# Altium PCB fMAX_MB.PcbDoc (part 7 of 13) (continued)
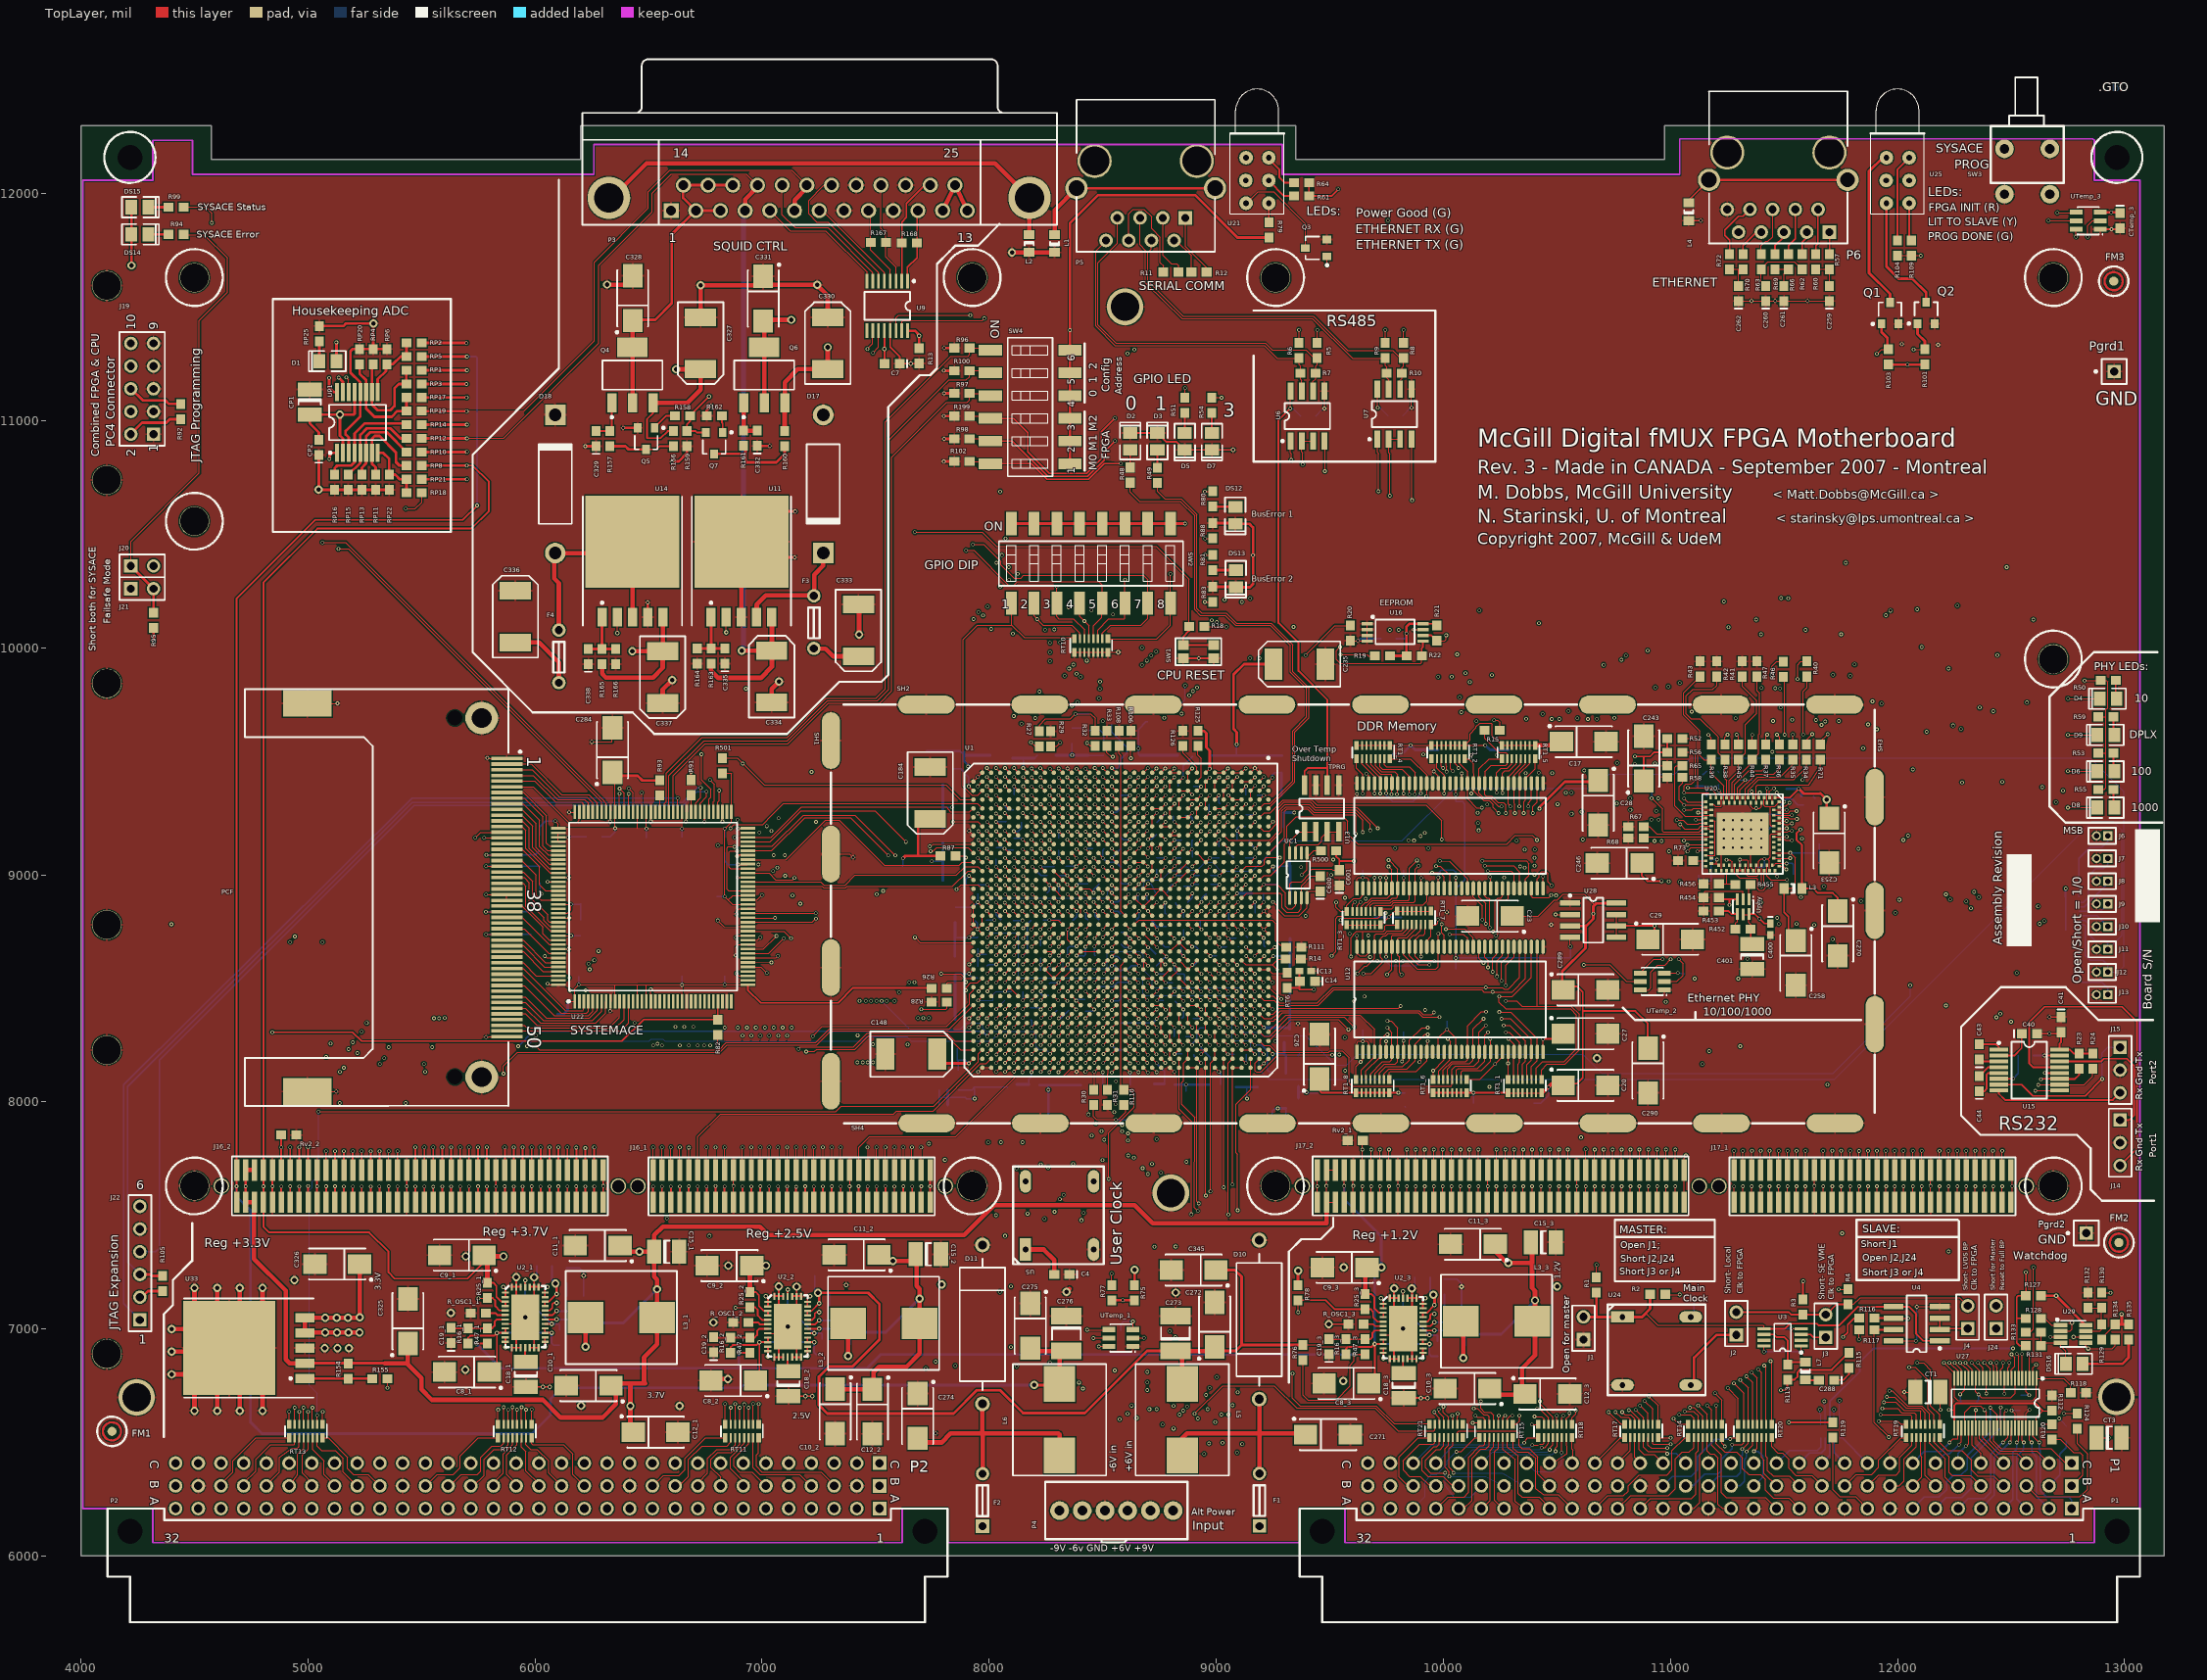
[diagram p0: TopLayer view]
## Nets (pads, with @x,y where several pads share a name; then routed paths per layer and width w, separated by ;. In a path a pad name is that pad's centre, name@x,y a point inside that pad or via, vN(x,y) a via of type N, cw(c..) or ccw(c..) an arc to the next point about the centre after c; other vN are vias at no path point) (continued)
M2_DEMODB_S0: J17_1.47 U1.AE7 | length 7092.6
  TopLayer w5: v1(8266,9232) 8284.61,9213.39 U1.AE7@8284.72,9213.39 ; J17_1.47@11594.49,7558.27 v1@11594.49,7627.51
  MidLayer1 w5: v1(8267.72,9980.32) 8265.75,9980.32 8249.02,9997.05 8249.02,10027.56 8261.81,10040.35 8319.88,10040.35 8343.35,10016.89 8647.43,10016.89 8660.07,10029.53 8686.02,10029.53 8694.72,10020.83 9512.54,10020.83 9548.8,10057.09 9636.81,10057.09 9670.9,10023 11348.42,10023 11372.05,10046.62 11372.05,10060.04 11386.81,10074.8 11406.5,10074.8 11422.24,10059.06 v1(11751.97,10059.06)
  MidLayer5 w5: v1(11594,7628) 11594,7653 11614,7673 11614,7790.95 11537,7867.95 11537,8713.44 11598.43,8774.87 11598.43,8889.21 11606.3,8897.08 11606.3,8924.3 11652,8970 11652,9434.61 11651.57,9435.04 11651.57,9631.73 11623.03,9660.28 11623.03,9811.02 11751.97,9939.96 v1(11751.97,10059.06)
  MidLayer6 w5: v1(8266,9232) 8266,9233.02 8247.05,9251.97 8247.05,9959.65 v1(8267.72,9980.32)
M2_DEMODB_S1: J17_1.48 U1.AD7 | length 6774.5
  TopLayer w5: v1(8306,9232) 8324.09,9213.91 U1.AD7@8324.09,9213.39 ; J17_1.48@11594.49,7700 v1@11594.49,7784.51
  MidLayer1 w6: v1(8267.72,9940.94) 8267.72,9956.69 8238.19,9986.22 8238.19,10033.46 8255.91,10051.18 8325.79,10051.18 8349.58,10027.39 8643.08,10027.39 8656.05,10040.35 8691.93,10040.35 8700.96,10031.33 9508.19,10031.33 9544.78,10067.91 9642.72,10067.91 9677.13,10033.5 11328.78,10033.5 11380.91,10085.63 11412.4,10085.63 11419.29,10078.74 v1(11595.47,10078.74)
  MidLayer5 w5: v1@11594.49,7784.51 11594.49,7787.4 11527,7854.89 11527,8717.58 11586.61,8777.2 11586.61,8891.54 11594.49,8899.41 11594.49,8984.25 11641.73,9031.5 11641.73,9430.74 11641.57,9430.9 11641.57,9571.02 11606.3,9606.3 11606.3,10067.91 v1(11595.47,10078.74)
  MidLayer6 w5: v1(8267.72,9940.94) 8258.05,9931.28 8258.05,9676.01 8258.05,9503.76 8286.42,9475.39 8286.42,9252.95 8306,9233.37 v1(8306,9232)
  other v1: 11595,7785
M2_POWER_DATA0: J17_2.67 U1.AF18 | length 2745.3
  TopLayer w5: v1(8225,8760) U1.AF18@8245.31,8780.31 ; J17_2.67@9760.79,7558.27 v1@9760.79,7627.79
  MidLayer1 w5: v1(8225,8760) 8225,8759.25 8244.09,8740.16 9555.12,8740.16 9614.17,8681.1 9759.84,8681.1 9791.34,8649.61 v1(9791.34,8622.05)
  MidLayer5 w5: v1@9760.79,7627.79 9760.79,7652.79 9780,7672 9780,8260.31 9791.34,8271.65 v1(9791.34,8622.05)
  other v1: 9761,7628
M2_POWER_DATA1: J17_2.68 U1.AE18 | length 2767.1
  TopLayer w5: v1(8265,8760) 8284.72,8779.72 U1.AE18@8284.72,8780.31 ; J17_2.68@9760.79,7700 v1@9760.79,7789.21
  MidLayer1 w5: v1(8265,8760) 8265,8765 8283.46,8783.46 9814.96,8783.46 9822.83,8775.59 v1(9822.83,8622.05)
  MidLayer5 w5: v1(9761,7790) 9759.84,8251.97 9775.59,8275.59 9775.59,8637.8 9783.46,8645.67 9814.96,8645.67 9822.83,8637.8 v1(9822.83,8622.05)
M2_POWER_DATA2: J17_2.69 U1.AG16 | length 3062.9
  TopLayer w5: v1(8185,8880) U1.AG16@8205.98,8859.06 ; J17_2.69@9721.42,7558.27 v1@9721.42,7627.42
  MidLayer5 w5: v1(9658.46,8894.68) 9658.46,8856.3 9667.32,8847.44 9752.95,8847.44 9775.59,8824.8 9775.59,8803.15 9738.35,8765.91 9738.35,8678.98 9763.78,8653.54 9763.78,8629.92 9742.38,8608.52 9732.28,8598.43 9732.28,8255.91 9741,8247.19 9741,7672 9721,7652 v1(9721,7628)
  MidLayer4 w5: v1@8185,8877.99 8204.72,8858.27 ; 8205.98,8859.06 8543.5,8859.06 8569.72,8832.83 8630.08,8832.83 8653.54,8856.3 8705.71,8856.3 8729.17,8832.83 8824.96,8832.83 8850.39,8858.27 9641.73,8858.27 9658.46,8875 v1(9658.46,8894.68)
M2_POWER_DATA3: J17_2.70 U1.AF16 | length 2900.6
  TopLayer w5: v1(8225,8880) 8225,8879.41 U1.AF16@8245.35,8859.06 ; J17_2.70@9721.42,7700 v1@9721.42,7789.58
  MidLayer2 w5: v1(8225,8880) 8230.24,8880 8248.03,8862.2 8248.03,8830.71 8259.84,8818.9 8900.59,8818.9 8916.34,8834.65 8916.34,8848.43 8926.18,8858.27 9099.41,8858.27 9114.17,8873.03 9114.17,8879.92 9176.18,8941.93 9216.54,8941.93 9235.08,8960.47 9667.48,8960.47 9713.98,8913.97 ; 9712.6,8915.35 9746.06,8881.89 v1(9746.06,8831.69)
  MidLayer5 w5: v1@9721.42,7789.58 9721.42,7800.16 9731,7809.74 9731,8243.05 9720.47,8253.57 9720.47,8602.36 9728.35,8610.24 9728.35,8814.96 v1(9746.06,8831.69)
  other v1: 9721,7790
M2_POWER_DATA4: J17_2.71 U1.AH19 | length 2711.7
  TopLayer w5: v1(8149.61,8720.47) 8165.94,8740.94 U1.AH19@8166.61,8740.94 ; J17_2.71@9682.05,7558.27 v1(9682,7628)
  MidLayer3 w5: v1(8149.61,8720.47) 8169.29,8700.79 8759.84,8700.79 8838.58,8622.05 v1(9708.66,8622.05)
  MidLayer5 w5: v1(9682,7628) 9682,7653 9702,7673 9702,7796.49 9721,7815.49 9721,8238.9 9708.66,8251.24 v1(9708.66,8622.05)
M2_POWER_DATA5: J17_2.72 U1.AH18 | length 2706.8
  TopLayer w5: v1(8150,8765) 8165.31,8780.31 U1.AH18@8166.61,8780.31 ; J17_2.72@9682.05,7700 v1@9682.05,7788.95
  MidLayer3 w5: v1(8150,8765) 8150.83,8765 8165.35,8779.53 8826.77,8779.53 8901.57,8704.72 8905.51,8700.79 9134.84,8700.79 9164.21,8671.42 9225.39,8671.42 9250.83,8696.85 9265.75,8696.85 9291.18,8671.42 9620.24,8671.42 9669.29,8720.47 v1(9669.29,8732.28)
  MidLayer5 w5: v1(9669.29,8732.28) 9692.91,8708.66 9692.91,8615.95 9696.85,8612.01 9696.85,8248.91 9711,8234.76 9711,7821.24 9682,7792.24 v1(9682,7790)
M2_POWER_DATA6: J17_2.73 U1.AK18 | length 2797
  TopLayer w5: v1(8070,8765) 8085.31,8780.31 U1.AK18@8087.87,8780.31 ; J17_2.73@9642.68,7558.27 v1@9642.68,7627.32
  MidLayer3 w5: v1(8070,8765) 8070,8764.65 8094.49,8740.16 8763.78,8740.16 8842.52,8661.42 9653.54,8661.42 v1(9677.17,8637.8)
  MidLayer5 w5: v1(9643,7628) 9643,7653 9663,7673 9663,7792.92 9701,7830.92 9701,8230.62 9685.04,8246.58 9685.04,8609.68 9677.17,8617.55 v1(9677.17,8637.8)
M2_POWER_DATA7: J17_2.74 Rv2_1.2 U1.AK17 | length 2846.2
  TopLayer w5: v1(8070,8840) 8087.87,8822.13 U1.AK17@8087.87,8819.68 ; J17_2.74@9642.68,7700 Rv2_1.2@9642.68,7822.68
  MidLayer3 w5: v1(8070,8840) 8070,8839.45 8090.55,8818.9 8271.65,8818.9 8301.02,8789.53 8832.52,8789.53 8881.89,8740.16 9057.09,8740.16 9086.46,8710.79 9139.76,8710.79 9169.13,8681.42 9221.25,8681.42 9247.51,8707.68 9270.83,8707.68 9297.09,8681.42 9527.87,8681.42 v1(9586.61,8740.16)
  MidLayer5 w5: v1(9586.61,8740.16) 9614.17,8712.6 9674.83,8712.6 9682.91,8704.52 9682.91,8671.1 9661.42,8649.61 9661.42,8619.16 9673.23,8607.35 9673.23,8244.25 9691,8226.48 9691,7840.61 9642.68,7792.28 v1@9642.68,7789.68
  other v1: 9643,7790
NetC18_1_2: C18_1.2 U2_1.16 | length 58.9
  TopLayer w8: C18_1.2@5956.61,6858.39 U2_1.16@5956.61,6917.28
NetC18_2_2: C18_2.2 U2_2.16 | length 58.9
  TopLayer w8: C18_2.2@7112.79,6817.31 U2_2.16@7112.79,6876.21
NetC18_3_2: C18_3.2 U2_3.16 | length 58.9
  TopLayer w8: C18_3.2@9822.44,6809.31 U2_3.16@9822.44,6868.21
NetC19_1_2: C19_1.2 R16_1.1 R47_1.2 U2_1.7 | length 265.7
  TopLayer w8: C19_1.2@5631,7004.46 5632,7003.46 5811.46,7003.46 5822,7014 5822,7031.78 5832.11,7041.89 U2_1.7@5870,7041.89
NetC19_2_2: C19_2.2 R16_2.1 R47_2.2 U2_2.7 | length 265.7
  TopLayer w8: C19_2.2@6787.17,6963.39 6788.17,6962.39 6967.64,6962.39 6978.17,6972.93 6978.17,6990.71 6988.28,7000.82 U2_2.7@7026.17,7000.82
NetC19_3_2: C19_3.2 R16_3.1 R47_3.2 U2_3.7 | length 265.7
  TopLayer w8: C19_3.2@9496.83,6955.39 9497.83,6954.39 9677.29,6954.39 9687.83,6964.93 9687.83,6982.71 9697.94,6992.82 U2_3.7@9735.83,6992.82
NetC21_1_2: C21_1.2 R_ITH1_1.1 | length 56.1
  BottomLayer w8: R_ITH1_1.1@6139,7145.46 C21_1.2@6139,7201.54
NetC21_2_2: C21_2.2 R_ITH1_2.1 | length 56.1
  BottomLayer w8: R_ITH1_2.1@7295.17,7104.39 C21_2.2@7295.17,7160.46
NetC21_3_2: C21_3.2 R_ITH1_3.1 | length 56.1
  BottomLayer w8: R_ITH1_3.1@10004.83,7096.39 C21_3.2@10004.83,7152.46
NetC22_1_2: C22_1.2 R_ITH1_1.2 U2_1.26 | length 178.2
  TopLayer w8: U2_1.26@6043.23,7061.57 6077.57,7061.57 v3(6095,7079)
  BottomLayer w8: v3(6095,7079) 6138.54,7079 R_ITH1_1.2@6139,7078.54 C22_1.2@6214,7078.54
NetC22_2_2: C22_2.2 R_ITH1_2.2 U2_2.26 | length 178.2
  TopLayer w8: U2_2.26@7199.4,7020.5 7233.75,7020.5 v3(7251.17,7037.93)
  BottomLayer w8: v3(7251.17,7037.93) 7294.71,7037.93 R_ITH1_2.2@7295.17,7037.46 C22_2.2@7370.17,7037.46
NetC22_3_2: C22_3.2 R_ITH1_3.2 U2_3.26 | length 178.2
  TopLayer w8: U2_3.26@9909.06,7012.5 9943.4,7012.5 v3(9960.83,7029.93)
  BottomLayer w8: v3(9960.83,7029.93) 10004.36,7029.93 R_ITH1_3.2@10004.83,7029.46 C22_3.2@10079.83,7029.46
NetC40_1: C40.1 U15.2 | length 177.3
  TopLayer w8: U15.2@12446.14,8203.98 12513.98,8203.98 12546.54,8236.54 C40.1@12546.54,8300
NetC43_1: C43.1 U15.3 | length 89.5
  TopLayer w8: C43.1@12360,8186.54 12368.15,8178.39 U15.3@12446.14,8178.39
NetC43_2: C43.2 U15.1 | length 103.2
  TopLayer w8: C43.2@12360,8253.46 12434.54,8253.46 12446.14,8241.86 U15.1@12446.14,8229.57
NetC44_1: C44.1 U15.5 | length 156.5
  TopLayer w8: C44.1@12360,8046.54 12381.54,8046.54 12392,8057 12392,8120 12399.2,8127.2 U15.5@12446.14,8127.2
NetC44_2: C44.2 U15.4 | length 102.4
  TopLayer w8: C44.2@12360,8113.46 12399.33,8152.79 U15.4@12446.14,8152.79
NetC45_1: C45.1 U15.6 | length 174.8
  TopLayer w8: U15.6@12446.14,8101.61 v1(12509.61,8101.61)
  BottomLayer w8: v1@12509,8102 12531.54,8124.54 C45.1@12531.54,8204
NetC259_2: C259.2 R57.1 R60.1 | length 133.1
  TopLayer w5: R60.1@11640,11666.54 R57.1@11700,11666.54 C259.2@11700,11593.46
NetC260_2: C260.2 R62.1 R63.1 | length 285.6
  TopLayer w5: C260.2@11415,11600 11415,11598.46 11400,11613.46 11400,11670 11430,11700 11546.54,11700 R62.1@11580,11666.54
NetC261_2: C261.2 R66.1 R69.1 | length 141.4
  TopLayer w5: R69.1@11460,11666.54 R66.1@11520,11666.54 11500,11646.54 C261.2@11500,11593.46
NetC262_2: C262.2 R70.1 R72.1 | length 133.1
  TopLayer w5: R72.1@11260,11666.54 R70.1@11320,11666.54 ; C262.2@11300,11593.46 11300,11666.54
NetC271_1: C271.1 D10.2 F1.2 L5.1 | length 951.1
  TopLayer w20: L5.1@8850,6442.52 8850,6518 8872,6540 C271.1@9390,6540 ; F1.2@9190,6363.5 D10.2@9190,6690
NetC274_2: C274.2 D11.1 F2.2 L6.1 | length 1043.5
  TopLayer w20: C274.2@7685,6500 7790,6500 7830,6540 7970,6540 7971,6541 7970,6542 D11.1@7970,6670 ; F2.2@7971,6362.5 7971,6540 8305,6540 8310,6535 L6.1@8310,6442.52
NetC288_1: C288.1 R115.2 | length 103.8
  TopLayer w8: C288.1@11720.46,6774 11721.6,6775.14 11761.14,6775.14 11786,6800 R115.2@11786,6827.54
NetC288_2: C288.2 L7.1 | length 58.5
  TopLayer w8: L7.1@11595,6774 C288.2@11653.54,6774
NetC328_1: C328.1 P3.2 P3.3 P3.14 P3.15 P3.16 Q4.2 Q4.4 | length 1481.6
  TopLayer w12: C328.1@6429.13,11443.99 6529.12,11443.99 6602,11516.87 6602,11820 P3.2@6706.92,11924.92 ; P3.3@6816.66,11924.92 P3.2@6707.96,11924.92 6652,11980.88 6652,12035.12 P3.14@6653.61,12036.73 P3.15@6762.31,12036.73 P3.16@6871.01,12036.73
  TopLayer w20: Q4.2@6429.13,11078.72 6429.13,11320.94 C328.1@6429.13,11443.99
NetC329_2: C329.2 Q4.1 R157.2 | length 188.4
  TopLayer w8: C329.2@6269.13,10954.23 R157.2@6329.13,10954.23 6338.58,10963.68 Q4.1@6338.58,11078.72
NetC331_2: C331.2 P3.12 P3.13 P3.25 Q6.2 Q6.4 | length 1600.4
  TopLayer w20: Q6.2@7009.13,11078.72 7009.13,11443.99 v2(7128.12,11443.99) ; P3.12@7794.97,11924.92 P3.25@7849.32,12036.73 P3.13@7903.67,11924.92
  MidLayer1 w20: v2(7128.12,11443.99) 7314,11443 ; 7313,11443 P3.12@7794.97,11924.92
NetC332_2: C332.2 Q6.1 R161.2 | length 183.5
  TopLayer w20: Q6.1@6918.58,11078.72 6918.58,10955.91 6919.09,10955.4 C332.2@6979.06,10955.4
NetC335_2: C335.2 R163.1 R164.2 U11.1 | length 260.3
  TopLayer w12: R164.2@6714.06,9996.4 C335.2@6836.53,9996.4 ; R163.1@6775.27,9996.61 U11.1@6775.27,10134.42
NetC338_2: C338.2 R165.1 R166.2 U14.1 | length 260.1
  TopLayer w12: C338.2@6235.13,9994.23 R166.2@6355.13,9994.23 ; R165.1@6295.27,9994.37 U14.1@6295.27,10134.42
NetD1_2: D1.2 RP25.1 | length 87.2
  TopLayer w12: D1.2@5050,11262.36 RP25.1@5050,11349.54
NetD2_1: D2.1 R48.2 | length 77.2
  TopLayer w8: R48.2@8620.79,10793.68 D2.1@8620.79,10870.91
NetD3_1: D3.1 R49.2 | length 78.2
  TopLayer w8: R49.2@8740.79,10792.68 D3.1@8740.79,10870.91
NetD4_1: D4.1 R50.1 | length 76.1
  TopLayer w8: D4.1@12960.79,9779.72 R50.1@12960.79,9855.78
NetD4_2: D4.2 U20.76 | length 1726.8
  TopLayer w4: U20.76@11455,9073.07 v1(11526.93,9073.07)
  TopLayer w5: v1@12750.22,9775.78 D4.2@12889.92,9775.78
  Power3 w6: v1(11526.93,9073.07) 12048.29,9073.07 v1(12751,9775.78)
NetD5_1: D5.1 R51.2 | length 89.1
  TopLayer w8: D5.1@8860.79,10945.72 R51.2@8860.79,11034.85
NetD6_1: D6.1 R53.1 | length 76.1
  TopLayer w8: D6.1@12950.79,9459.72 R53.1@12950.79,9535.78
NetD6_2: D6.2 U20.74 | length 1585.5
  TopLayer w4: U20.74@11478.9,9037.64 11496.36,9037.64 v1(11510,9024)
  TopLayer w5: v1(12750.22,9455.78) D6.2@12879.92,9455.78
  Power3 w6: v1(11510,9024) 12318.44,9024 v1(12750.22,9455.78)
NetD7_1: D7.1 R54.2 | length 89.1
  TopLayer w8: D7.1@8980.79,10945.72 R54.2@8980.79,11034.85
NetD8_1: D8.1 R55.1 | length 81.6
  TopLayer w8: R55.1@12950.79,9375.78 12950.79,9299.72 D8.1@12954.73,9295.78
NetD8_2: D8.2 U20.73 | length 1638.3
  TopLayer w4: U20.73@11460,9018.74 11460,9004 v1@11470,8994
  TopLayer w5: v1(12750.22,9295.78) D8.2@12879.92,9295.78
  Power3 w5: 11629,8994 11651.48,8994 11659.98,9002.5 11997.5,9002.5 12023.62,8976.38 12086.61,8976.38 12112.74,9002.5 12348.96,9002.5 12642.24,9295.78 12663.78,9295.78
  Power3 w6: v1(11470.47,8992.13) 11470.47,8965.55 11488.19,8947.83 11583.66,8947.83 11629,8994 ; 12663.78,9295.78 v1(12750.22,9295.78)
NetD9_1: D9.1 R59.1 | length 76.1
  TopLayer w8: D9.1@12950.79,9619.72 R59.1@12950.79,9695.78
NetD9_2: D9.2 U20.70 | length 1921.4
  TopLayer w4: U20.70@11424.57,9042.41 11424.57,8995.43 11441.97,8977.02 v1(11512.97,8977.02)
  TopLayer w5: v1(12750.22,9615.78) D9.2@12879.92,9615.78
  Power3 w6: v1(11512.97,8977.02) 11544,8978 11579,9013 12342,9013 12790,9461 12790,9576 v1(12750.22,9615.78)
NetD17_2: D17.2 F3.2 U11.4 | length 528.3
  TopLayer w20: U11.4@6976.06,10134.42 6976.06,10189.93 7016.22,10230.09 7229.13,10230.09 7229.13,10321 7269.13,10361 D17.2@7269.13,10416.63
NetD18_1: D18.1 F4.2 U14.3 U14.6 | length 1039.4
  TopLayer w20: D18.1@6085,10415 6085,10305 6105,10285 F4.2@6105,10077.5 ; D18.1@6089.13,10416.63 6378.65,10416.63 U14.6@6429.13,10467.1 U14.3@6429.13,10134.42
NetDS12_1: DS12.1 R80.2 | length 98.5
  TopLayer w12: R80.2@8984.79,10621.16 DS12.1@9083.25,10621.16
NetDS13_1: DS13.1 R81.2 | length 101
  TopLayer w12: R81.2@8984.79,10341.16 DS13.1@9085.75,10341.16
NetDS14_2: DS14.2 R94.1 | length 89.1
  TopLayer w12: DS14.2@4297.4,11820 R94.1@4386.54,11820
NetDS15_2: DS15.2 R99.1 | length 89.1
  TopLayer w12: DS15.2@4297.4,11940 R99.1@4386.54,11940
NetDS16_1: DS16.1 R135.1 | length 292.6
  TopLayer w12: DS16.1@12815.72,6846.06 12990.06,6846.06 13018.32,6874.31 R135.1@13018.32,6952.6
NetDS16_2: DS16.2 R131.1 R133.2 U29.4 | length 254.6
  TopLayer w5: R133.2@12631.78,6986.06 R131.1@12631.78,6926.06 12645.01,6939.29 U29.4@12718.32,6939.29 12718.32,6924.69 12740.91,6902.09 DS16.2@12740.91,6846.06
NetJ1_2: J1.2 R1.1 R2.2 U3.5 U4.1 U4.5 U24.1 | length 1963.4
  TopLayer w5: 10891.56,7069.56 10944.39,7016.73 11408.46,7016.73 11412.24,7012.95 U3.5@11412.24,7001.27
  TopLayer w8: U3.5@11412.24,7001.27 11504.27,7001.27 11526,7023 11645,7023 11652,7016 11744,7016 11825.88,7097.88 12050.12,7097.88 12082,7066 12082,6978 12112.12,6947.88 U4.1@12186.3,6947.88
  TopLayer w12: J1.2@10620,7052.88 10874.88,7052.88 10910.47,7088.47 R2.2@10910.47,7152.88 ; 10673.94,7055 R1.1@10673.94,7159.42
NetJ2_1: J2.1 U24.3 | length 348.6
  TopLayer w12: U24.3@11103.94,6752.88 11103.94,6873.94 11204,6974 J2.1@11290,6974
NetJ2_2: J2.2 J3.2 J4.2 R3.1 R4.1 | length 1068.7
  TopLayer w5: R4.1@11782,7108.54 11806.54,7108.54 11836,7138 12273,7138 J4.2@12309,7102
  TopLayer w8: J2.2@11290,7074 11521,7074 11531.46,7063.54 J3.2@11683.28,7063.54 ; J3.2@11683.94,7062.88 11684.88,7062.88 11730.54,7108.54 R4.1@11782,7108.54
NetJ3_1: J3.1 U3.3 | length 113.6
  TopLayer w8: U3.3@11575.63,6975.68 11616.32,6975.68 11629.12,6962.88 J3.1@11683.94,6962.88
NetJ4_1: J4.1 U4.2 U4.3 | length 174.4
  TopLayer w8: U4.3@12186.3,7047.88 U4.2@12186.3,6997.88 12190.42,7002 J4.1@12309,7002
NetJ14_1: J14.1 U15.14 | length 633.1
  TopLayer w8: U15.14@12713.86,8178.39 12897.39,8178.39 12909,8190 13010,8190 13041,8159 13041,7940 13021,7920 J14.1@12980,7920
NetJ14_3: J14.3 U15.13 | length 1516.3
  TopLayer w8: U15.13@12713.86,8152.79 12596.21,8152.79 12580,8169 12580,8351 12648,8419 12989,8419 13054,8354 13054,7794 J14.3@12980,7720
NetJ15_1: J15.1 U15.7 | length 710
  TopLayer w8: U15.7@12446.14,8076.02 12545.98,8076.02 12596,8026 12826,8026 v1(12901,8101)
  BottomLayer w8: v1@12900,8102 12900,8215 12925,8240 J15.1@12980,8240
NetJ15_3: J15.3 U15.8 | length 573.2
  TopLayer w8: U15.8@12446.14,8050.43 12446.14,8035.86 12474,8008 12948,8008 J15.3@12980,8040
NetJ19_4: J19.4 U22.98 | length 3520.7
  TopLayer w5: U22.98@6372.36,9277.32 v1(6372.36,9356.64)
  MidLayer1 w5: J19.4@4220,11040 4220,11039.84 4271.65,10988.19 4271.65,10498.03 4171.26,10397.64 4171.26,10220.47 5033.46,9358.27 6370.73,9358.27 v1(6372.36,9356.64)
NetJ19_6: J19.6 R92.1 U22.101 | length 3135.5
  TopLayer w5: v1(5064,10464) 5166,10464 6304.62,9325.38 6304.62,9323.38 6313.31,9314.69 U22.101@6313.31,9277.32
  TopLayer w12: J19.6@4220,11140 4222,11140 4273,11089 4372,11089 4387.54,11073.46 R92.1@4440,11073.46
  MidLayer1 w6: J19.6@4220,11140 4271,11089 4439,11089 v1(5064,10464)
NetJ19_8: J19.8 U22.97 | length 3866.3
  TopLayer w5: v1(6372,9380) 6392.05,9359.95 U22.97@6392.05,9277.32
  MidLayer1 w5: J19.8@4220,11240 4219.33,11240 4171.26,11191.93 4171.26,10924.21 4261.65,10833.82 4261.65,10502.17 4158.46,10398.98 4158.46,10218.95 5036.42,9341 6379,9341 6388,9350 6388,9364 v1(6372,9380)
NetJ19_10: J19.10 U22.102 | length 2990.7
  TopLayer w5: v1(5134,10435) 5178,10435 6293.62,9319.38 U22.102@6293.62,9277.32
  MidLayer1 w6: J19.10@4220,11340 4273,11287 4347,11287 4379,11255 4379,11190 v1(5134,10435)
NetL1_2: L1.2 P5.9 P5.10 | length 861.8
  TopLayer w12: P5.9@8384.38,12023.16 P5.10@8994.38,12023.16 P5.10@9000,12017.54
  TopLayer w20: L1.2@8288,11819.37 8288,11927 8384.16,12023.16 P5.9@8384.38,12023.16
NetL2_1: L2.1 P3.26 P3.27 | length 2141.6
  TopLayer w20: P3.26@6325.24,11980.83 6338.83,11980.83 6491,12133 8025.51,12133 P3.27@8176,11982.51 ; L2.1@8176,11819.37 P3.27@8176,11982.51 ; P3.27@8177.69,11980.83 P3.27@8176,11982.51
NetL3_1_1: L3_1.1 U2_1.1 U2_1.2 U2_1.11 U2_1.12 U2_1.20 U2_1.21 U2_1.30 U2_1.31 | length 1129.3
  TopLayer w8: v3(5860,7185) 5870,7175 5870,7160 U2_1.2@5870,7140.31 ; v3(5870,6920) 5870,6943.46 U2_1.11@5870,6963.15 ; v3(6043.23,6921.23) 6043.23,6943.46 U2_1.21@6043.23,6963.15 ; U2_1.30@6043.23,7140.31 6043.23,7160 6043.23,7173.23 v3(6055,7185)
  TopLayer w20: v2@6222.52,6920.52 v2(6222.52,6922) L3_1.1@6222.52,7050
  Power1 w8: v3(6043.23,6921.23) v2@6221.75,6921.23
  MidLayer4 w8: v3(6043.23,6921.23) 5871.23,6921.23 v3(5870,6920) 5870,7055 5860,7065 v3(5860,7185) v3(6055,7185)
NetL3_2_1: L3_2.1 U2_2.1 U2_2.2 U2_2.11 U2_2.12 U2_2.20 U2_2.21 U2_2.30 U2_2.31 | length 1131.4
  TopLayer w8: v3(7016.17,7143.93) 7026.17,7133.93 7026.17,7119 7026.17,7099.31 U2_2.2@7026.17,7099.24 ; v3(7026.17,6878.93) 7026.17,6902.46 U2_2.11@7026.17,6922.08 ; v3(7199.4,6880.16) 7199.4,6902.46 U2_2.21@7199.4,6922.08 ; U2_2.30@7199.4,7099.24 7199.4,7099.31 7199.4,7119 7199.4,7132.16 v3(7211.17,7143.93)
  TopLayer w20: v2@7378.69,6879.45 v2(7378.69,6880.93) L3_2.1@7378.69,7008.93
  Power1 w8: v3(7199.4,6880.16) v2@7377.92,6880.16
  MidLayer4 w8: v3@7200,6880 7199.4,6880 7027.24,6880 v3(7026.17,6878.93) 7026.17,7008.83 7015,7020 7015,7143.93 7015,7145 7016.17,7145 v3@7210,7145
NetL3_3_1: L3_3.1 U2_3.1 U2_3.2 U2_3.11 U2_3.12 U2_3.20 U2_3.21 U2_3.30 U2_3.31 | length 491.5
  TopLayer w8: v3(9725.83,7135.93) 9735.83,7125.93 9735.83,7111 9735.83,7091.31 U2_3.2@9735.83,7091.24 ; v3(9735.83,6870.93) 9735.83,6894.46 U2_3.11@9735.83,6914.08 ; v3(9909.06,6872.16) 9909.06,6894.46 U2_3.21@9909.06,6914.08 ; U2_3.30@9909.06,7091.24 9909.06,7091.31 9909.06,7111 9909.06,7124.16 v3(9920.83,7135.93)
  TopLayer w20: v2@10088.35,6871.45 v2(10088.35,6872.93) L3_3.1@10088.35,7000.93
  Power1 w8: v3(9909.06,6872.16) v2@10087.58,6872.16
NetL4_2: L4.2 P6.11 P6.12 | length 747.9
  TopLayer w5: L4.2@11080,11959.37 L4.2@11080,11970
  TopLayer w8: L4.2@11080,11970 P6.12@11170,12060
  TopLayer w12: P6.12@11170,12060 P6.11@11780,12060
NetL7_2: L7.2 R113.2 U3.6 | length 299
  TopLayer w8: U3.6@11412.24,6975.68 11454.32,6975.68 11465.91,6964.09 11500.91,6964.09 11517,6948 R113.2@11517,6843.46 ; R113.2@11517,6855 11517.63,6854.37 L7.2@11595,6854.37
NetP1_A10: P1.A10 R119.2 | length 415.3
  TopLayer w5: R119.2@11715,6521.54 11715,6293 11747,6261 11815,6261 P1.A10@11867,6209
NetP1_B1: P1.B1 R120.2 | length 318.7
  TopLayer w5: R120.2@12680,6513.54 12717.46,6513.54 12776,6455 12804,6455 12815,6444 12815,6357 P1.B1@12767,6309
NetP1_B2: P1.B2 R121.2 | length 227
  BottomLayer w6: P1.B2@12667,6309 12715,6357 12715,6449 12743,6477 R121.2@12743,6504.54
NetP1_B3: P1.B3 R124.2 | length 589.1
  TopLayer w5: P1.B3@12567,6309 12615,6261 12803,6261 12837,6295 12837,6450 12792,6495 R124.2@12792,6561.54
NetP1_B4: P1.B4 RT19.16 | length 407.9
  TopLayer w5: RT19.16@12185.92,6521.21 12185.92,6498.35 12220,6464.27 12283,6464.27 12326,6421.27 12326,6379.27 12352,6353.27 12424,6353.27 P1.B4@12468,6309.27
NetP1_B5: P1.B5 RT19.15 | length 345.6
  TopLayer w5: RT19.15@12161.31,6521.21 12161.31,6501.95 12227,6436.27 12227,6368.27 12241,6354.27 12323,6354.27 P1.B5@12368,6309.27
NetP1_B6: P1.B6 RT19.14 | length 277.2
  TopLayer w5: RT19.14@12141.63,6521.21 12141.63,6496.64 12210,6428.27 12210,6345.27 12246,6309.27 P1.B6@12268,6309.27
NetP1_B7: P1.B7 RT19.13 | length 231
  TopLayer w5: RT19.13@12121.94,6521.21 12121.94,6355.32 P1.B7@12168,6309.27
NetP1_B8: P1.B8 RT19.12 | length 229.2
  TopLayer w5: P1.B8@12068,6309.27 12106,6347.27 12106,6436.27 12102.26,6440.01 RT19.12@12102.26,6521.21
NetP1_B9: P1.B9 RT19.11 | length 282.8
  TopLayer w5: P1.B9@11968,6309.27 12008,6309.27 12029,6330.27 12029,6428.27 12082.57,6481.84 RT19.11@12082.57,6521.21
NetP1_B10: P1.B10 RT19.10 | length 338.4
  TopLayer w5: P1.B10@11868,6309.27 11916,6357.27 11994,6357.27 12010,6373.27 12010,6435.27 12062.89,6488.16 RT19.10@12062.89,6521.21
NetP1_B11: P1.B11 RT19.9 | length 377.4
  TopLayer w5: P1.B11@11768,6309.27 11818,6359.27 11886,6359.27 11917,6390.27 11917,6423.27 12014.94,6521.21 RT19.9@12038.28,6521.21
NetP1_B12: P1.B12 RT20.16 | length 356.7
  TopLayer w5: RT20.16@11445.92,6521.21 11445.92,6481.35 11473,6454.27 11493,6454.27 11521,6426.27 11521,6386.27 11553,6354.27 11623,6354.27 P1.B12@11668,6309.27
NetP1_B13: P1.B13 RT20.15 | length 314.9
  TopLayer w5: RT20.15@11421.31,6521.21 11421.31,6437.95 11428,6431.27 11428,6377.27 11453,6352.27 11525,6352.27 P1.B13@11568,6309.27
NetP1_B14: P1.B14 RT20.14 | length 239.4
  TopLayer w5: RT20.14@11401.63,6521.21 11401.63,6433.64 11413,6422.27 11413,6364.27 P1.B14@11468,6309.27
NetP1_B15: P1.B15 RT20.13 | length 261.2
  TopLayer w5: v1(11368,6461.27) 11381.94,6475.21 RT20.13@11381.94,6521.21
  BottomLayer w6: P1.B15@11368,6309.27 11407,6348.27 11407,6441.27 11387,6461.27 v1(11368,6461.27)
NetP1_B16: P1.B16 RT20.12 | length 273.2
  TopLayer w5: v1(11335,6460.27) 11362.26,6487.53 RT20.12@11362.26,6521.21
  BottomLayer w6: P1.B16@11268,6309.27 11306,6309.27 11325,6328.27 11325,6424.27 11335,6434.27 v1(11335,6460.27)
NetP1_B17: P1.B17 RT20.11 | length 332.3
  TopLayer w5: v1(11316,6471.27) 11342.57,6497.84 RT20.11@11342.57,6521.21
  BottomLayer w6: P1.B17@11168,6309.27 11209,6350.27 11291,6350.27 11309,6368.27 11309,6437.27 11316,6444.27 v1(11316,6471.27)
NetP1_B18: P1.B18 RT20.10 | length 394.8
  TopLayer w5: v1(11272,6490.27) 11314,6490.27 11322.89,6499.16 RT20.10@11322.89,6521.21
  BottomLayer w6: P1.B18@11068,6309.27 11099,6309.27 11151,6361.27 11210,6361.27 11225,6376.27 11225,6425.27 11272,6472.27 v1(11272,6490.27)
NetP1_B19: P1.B19 RT20.9 | length 452
  TopLayer w5: v1(11263,6515.27) 11268.94,6521.21 RT20.9@11298.28,6521.21
  BottomLayer w6: P1.B19@10968,6309.27 11009,6350.27 11090,6350.27 11119,6379.27 11119,6437.27 11197,6515.27 v1(11263,6515.27)
NetP1_B24: P1.B24 RT21.15 | length 606.9
  TopLayer w5: RT21.15@10061.31,6521.21 10061.31,6543.58 10069,6551.27 10321,6551.27 10333,6539.27 10333,6487.27 10346,6474.27 10378,6474.27 10416.5,6435.77 10416.5,6360.77 P1.B24@10468,6309.27
NetP1_B25: P1.B25 RT21.14 | length 508.7
  TopLayer w5: RT21.14@10041.63,6521.21 10041.63,6487.9 10026,6472.27 10026,6391.27 10045,6372.27 v1(10045,6366.27)
  BottomLayer w5: v1(10045,6366.27) 10261,6366.27 10352,6309.27 P1.B25@10368,6309.27
NetP1_B26: P1.B26 RT21.13 | length 437
  TopLayer w5: RT21.13@10021.94,6521.21 10021.94,6489.21 10007,6474.27 10007,6391.27 10026,6372.27 v1(10026,6350.27)
  BottomLayer w5: v1(10026,6350.27) 10186,6350.27 10265,6309.27 P1.B26@10268,6309.27
NetP1_B27: P1.B27 RT21.12 | length 534.6
  TopLayer w5: RT21.12@10002.26,6521.21 10002.26,6485.53 9986,6469.27 9968,6469.27 9921,6422.27 9921,6388.27 9943,6366.27 v1(10008,6366.27)
  BottomLayer w5: v1(10008,6366.27) 10008,6309.27 10046,6260.27 10119,6260.27 P1.B27@10168,6309.27
NetP1_B28: P1.B28 RT21.11 | length 374.5
  TopLayer w5: RT21.11@9982.57,6521.69 9982.57,6492.84 9972,6482.27 9959,6482.27 9906,6429.27 9906,6376.27 9932,6350.27 10000,6350.27 10041,6309.27 P1.B28@10068,6309.27
NetP1_B29: P1.B29 RT21.10 | length 408.2
  TopLayer w5: 9823,6420 9895,6492 ; 9824,6420.27 9824,6378.27 9851,6351.27 9898,6351.27 9940,6309.27 P1.B29@9968,6309.27 ; 9896,6492.27 9956,6492.27 9962.89,6499.16 RT21.10@9962.89,6521.21
NetP1_B30: P1.B30 RT21.9 | length 334.8
  TopLayer w5: 9805,6437 9888.94,6520.94 ; 9806,6437.27 9806,6347.27 9844,6309.27 P1.B30@9868,6309.27 ; 9889.94,6521.21 RT21.9@9938.28,6521.21
NetP1_C10: P1.C10 RT16.1 | length 168.1
  BottomLayer w6: RT16.1@11745.92,6520.27 11757,6520.27 P1.C10@11868,6409.27
NetP1_C11: P1.C11 RT16.2 | length 130.3
  BottomLayer w6: RT16.2@11721.31,6520.27 11721.31,6455.95 P1.C11@11768,6409.27
NetP1_C12: P1.C12 RT16.3 | length 124.9
  BottomLayer w6: P1.C12@11668,6409.27 11701.63,6442.9 RT16.3@11701.63,6520.27
NetP1_C13: P1.C13 RT16.4 | length 188.8
  BottomLayer w6: P1.C13@11568,6409.27 11611.73,6453 11664,6453 11681.94,6470.94 RT16.4@11681.94,6520.27
NetP1_C14: P1.C14 RT16.5 | length 263.5
  BottomLayer w6: P1.C14@11468,6409.27 11524,6465.27 11647,6465.27 11662.26,6480.53 RT16.5@11662.26,6520.27
NetP1_C15: P1.C15 RT17.16 | length 467.6
  TopLayer w5: RT17.16@10945.92,6521.21 v1(11000.79,6521.21)
  MidLayer1 w6: v1(11000.79,6521.21) 11160.79,6521.21 11235,6447 11288,6447 11326,6409 P1.C15@11367,6409
NetP1_C16: P1.C16 RT17.15 | length 408.1
  TopLayer w5: RT17.15@10921.32,6521.21 10921.32,6495.68 10924,6493 v1@11002,6493
  MidLayer1 w6: v1(11001,6493) 11143,6493 11227,6409 P1.C16@11267,6409
NetP1_C17: P1.C17 RT17.14 | length 331.1
  TopLayer w5: RT17.14@10901.63,6521.21 10901.63,6488.37 10915,6475 v1(10986,6475)
  MidLayer1 w6: v1(10986,6475) 11061,6475 11127,6409 P1.C17@11167,6409
NetP1_C18: P1.C18 RT17.13 | length 256.2
  TopLayer w5: RT17.13@10881.94,6521.21 10881.94,6479.06 10901.73,6459.27 10977.73,6459.27 v1(10986,6451)
  BottomLayer w6: v1(10986,6451) 11025,6451 P1.C18@11067,6409
NetP1_C19: P1.C19 RT17.12 | length 182.7
  TopLayer w5: RT17.12@10862.26,6521.21 10862.26,6469.01 10883,6448.27 10929,6448.27 P1.C19@10968,6409.27
NetP1_C20: P1.C20 RT17.11 | length 122.5
  TopLayer w5: RT17.11@10842.57,6521.21 10842.57,6434.69 P1.C20@10868,6409.27
NetP1_C21: P1.C21 RT17.10 | length 134.7
  TopLayer w5: P1.C21@10768,6409.27 10822.89,6464.16 RT17.10@10822.89,6521.21
NetP1_C22: P1.C22 RT17.9 | length 176.7
  TopLayer w5: P1.C22@10668,6409.27 10779.94,6521.21 RT17.9@10798.28,6521.21
NetP1_C23: P1.C23 RT18.16 | length 113
  TopLayer w5: RT18.16@10565.92,6521.21 10565.92,6470.35 10571,6465.27 P1.C23@10571,6410.27
NetP1_C24: P1.C24 RT18.15 | length 157.3
  TopLayer w5: P1.C24@10468,6409.27 10480,6409.27 10542,6450.27 RT18.15@10541.32,6521.21
NetP1_C25: P1.C25 RT18.14 | length 309.6
  TopLayer w5: v1(10521,6456.27) 10521,6520.58 RT18.14@10521.63,6521.21
  BottomLayer w5: P1.C25@10368,6409.27 10368,6408.27 10405,6371.27 10487,6371.27 10521,6405.27 v1(10521,6456.27)
  BottomLayer w6: P1.C25@10368,6409.27 P1.C25@10378,6409.27
NetP1_C26: P1.C26 RT18.13 | length 309.4
  TopLayer w5: v1(10494,6461.27) 10494,6475.27 10501.94,6483.21 RT18.13@10501.94,6521.21
  BottomLayer w5: P1.C26@10268,6409.27 10307,6448.27 10481,6448.27 v1@10493,6460.27
NetP1_C27: P1.C27 RT18.12 | length 382.1
  TopLayer w5: v1(10468,6468.27) 10468,6475.27 10482.26,6489.53 RT18.12@10482.26,6520.01
  BottomLayer w5: P1.C27@10168,6409.27 10217,6458.27 10458,6458.27 v1(10468,6468.27)